# Altium PCB PCB_CARTE_SON.PcbDoc (part 1 of 5) (continued)
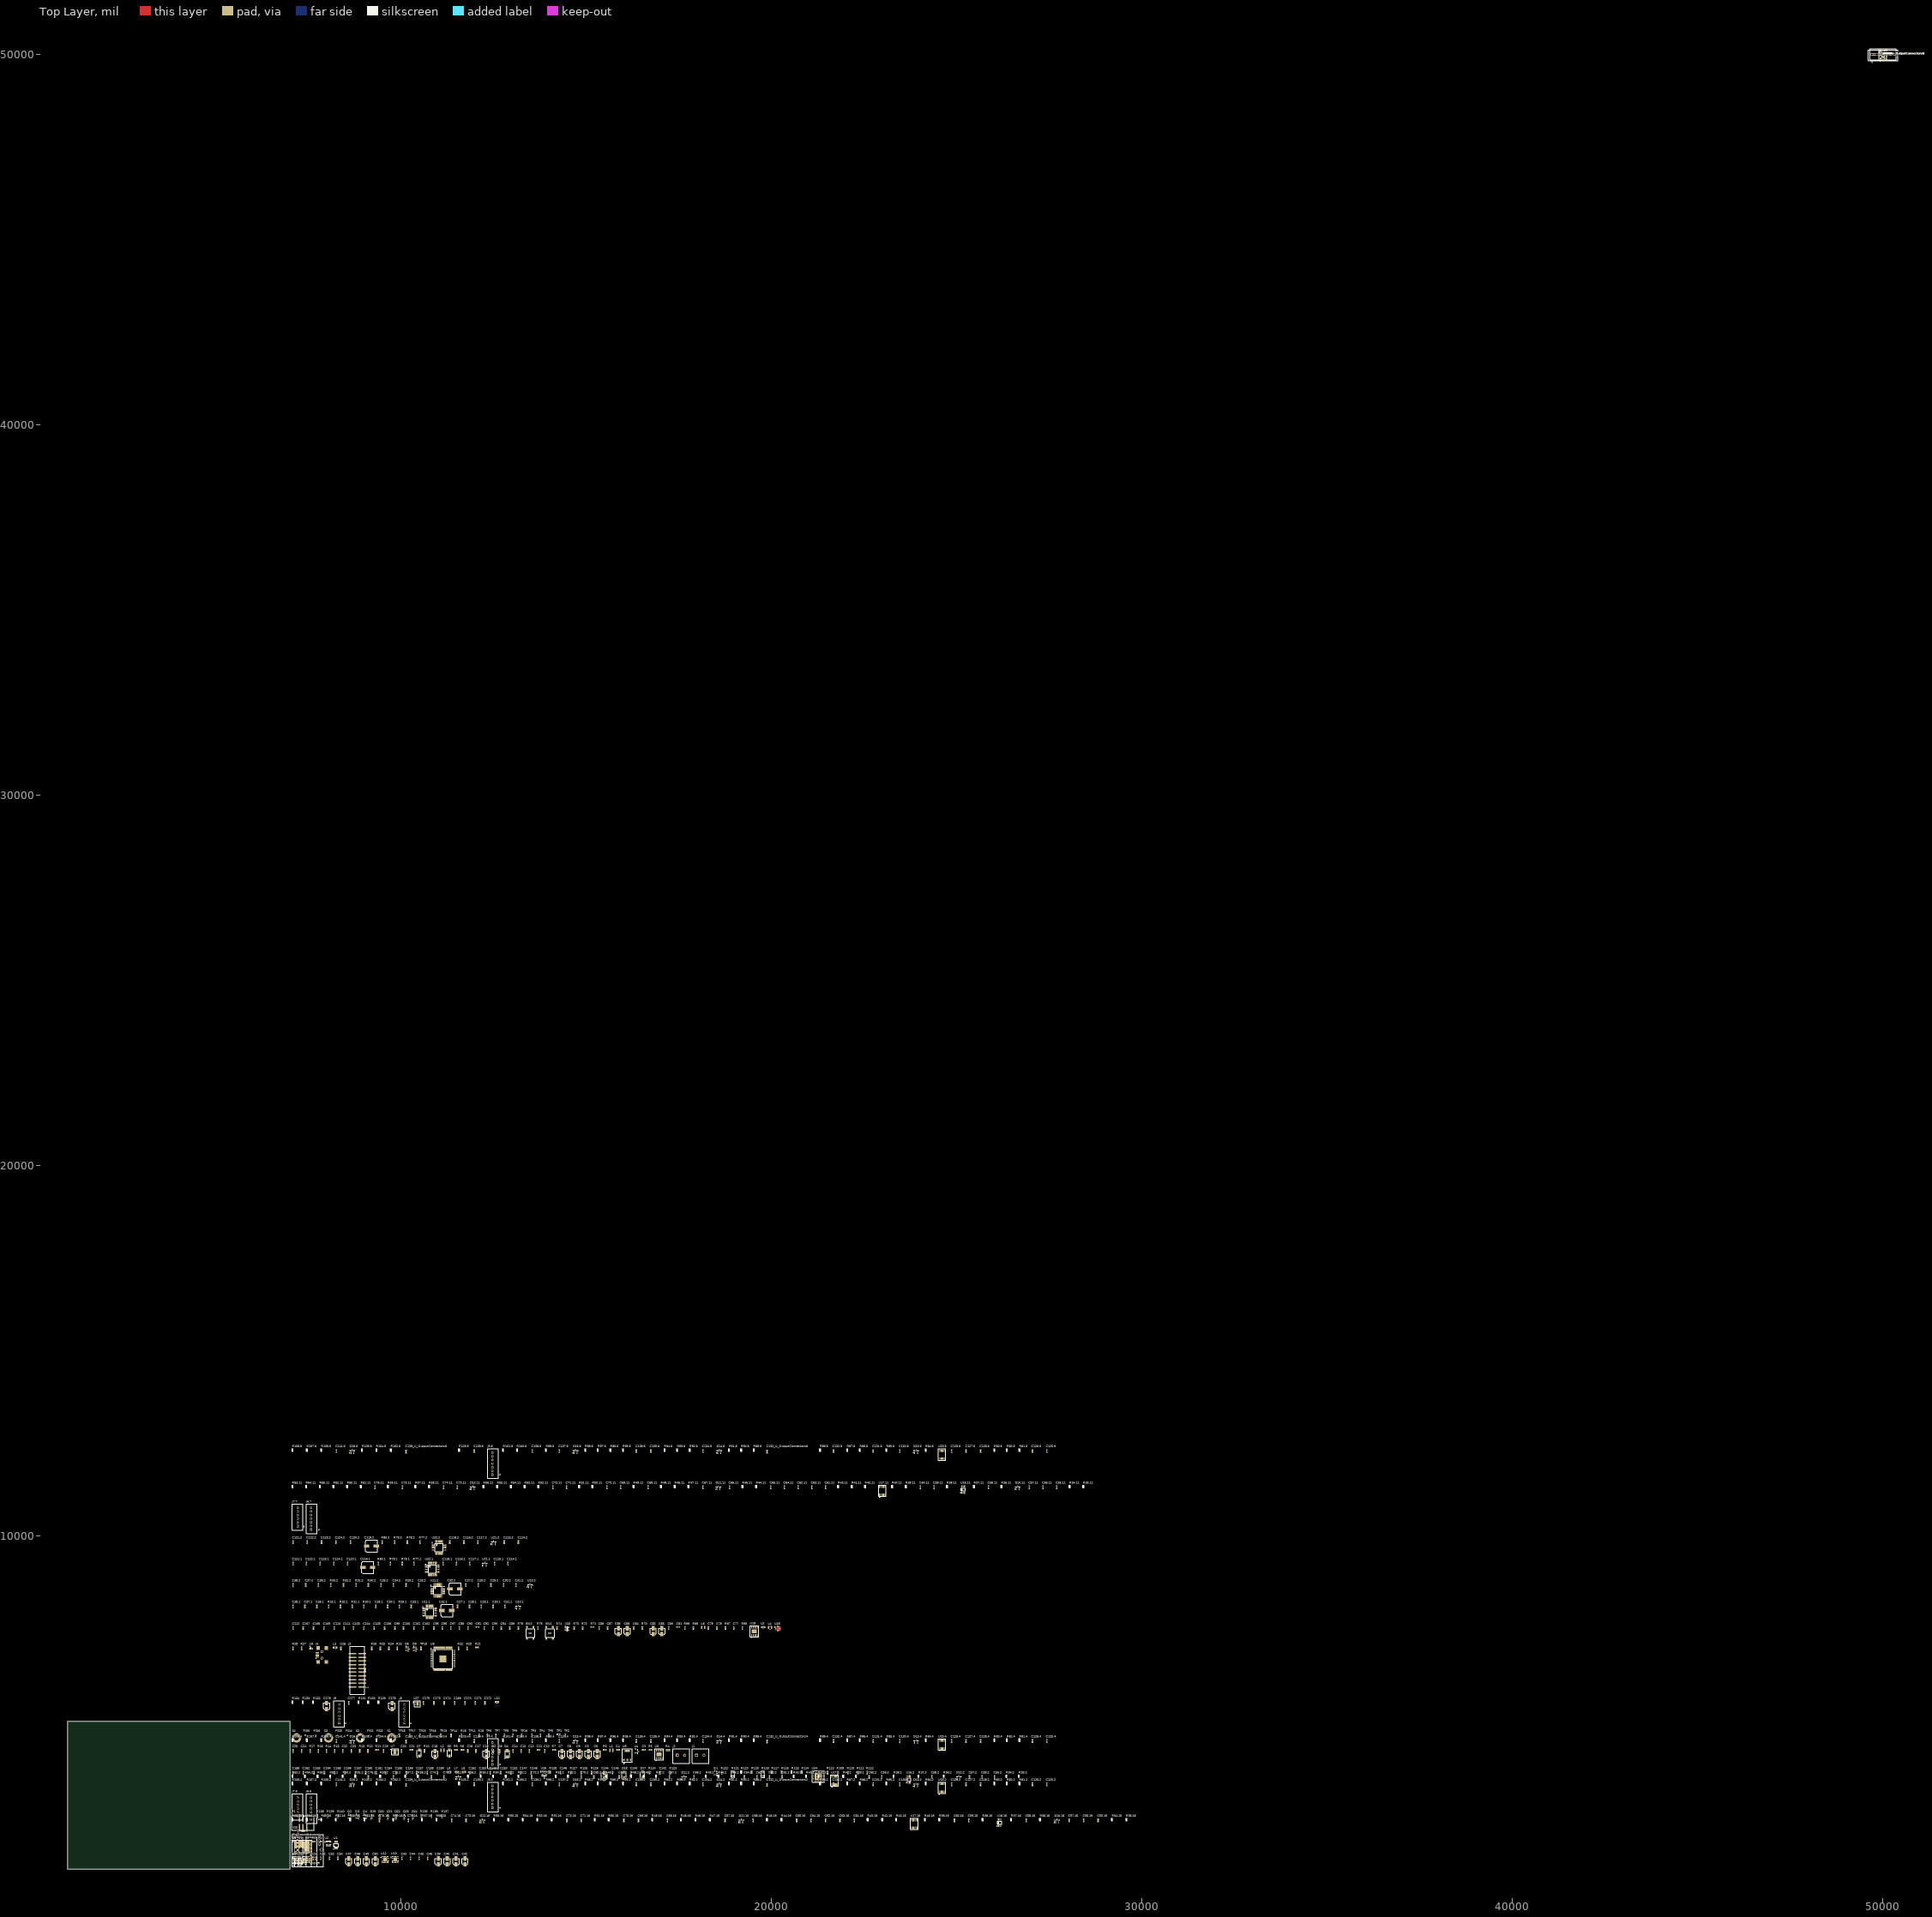
[diagram p0: Top Layer view]
## Classes and differential pairs (continued)
component class U_InputAmplifier9: C55.9 C56.9 C57.9 C58.9 C59.9 C60.9 C61.9 C62.9 C63.9 C64.9 C65.9 C66.9 C67.9 C68.9 C69.9 C70.9 C71.9 C72.9 C73.9 C74.9 C75.9 C76.9 D10.9 D11.9 D12.9 R34.9 R35.9 R36.9 R37.9 R38.9 R39.9 R40.9 R41.9 R42.9 R43.9 R44.9 R45.9 R46.9 R47.9 R48.9 R49.9 R50.9 R51.9 R52.9 R53.9 R54.9 R55.9 R56.9 R57.9 R58.9 R59.9 R60.9 R61.9 R62.9 R63.9 R64.9 R65.9 U16.9 U17.9
component class U_InputAmplifier8: C55.8 C56.8 C57.8 C58.8 C59.8 C60.8 C61.8 C62.8 C63.8 C64.8 C65.8 C66.8 C67.8 C68.8 C69.8 C70.8 C71.8 C72.8 C73.8 C74.8 C75.8 C76.8 D10.8 D11.8 D12.8 R34.8 R35.8 R36.8 R37.8 R38.8 R39.8 R40.8 R41.8 R42.8 R43.8 R44.8 R45.8 R46.8 R47.8 R48.8 R49.8 R50.8 R51.8 R52.8 R53.8 R54.8 R55.8 R56.8 R57.8 R58.8 R59.8 R60.8 R61.8 R62.8 R63.8 R64.8 R65.8 U16.8 U17.8
component class U_InputAmplifier7: C55.7 C56.7 C57.7 C58.7 C59.7 C60.7 C61.7 C62.7 C63.7 C64.7 C65.7 C66.7 C67.7 C68.7 C69.7 C70.7 C71.7 C72.7 C73.7 C74.7 C75.7 C76.7 D10.7 D11.7 D12.7 R34.7 R35.7 R36.7 R37.7 R38.7 R39.7 R40.7 R41.7 R42.7 R43.7 R44.7 R45.7 R46.7 R47.7 R48.7 R49.7 R50.7 R51.7 R52.7 R53.7 R54.7 R55.7 R56.7 R57.7 R58.7 R59.7 R60.7 R61.7 R62.7 R63.7 R64.7 R65.7 U16.7 U17.7
component class U_InputAmplifier6: C55.6 C56.6 C57.6 C58.6 C59.6 C60.6 C61.6 C62.6 C63.6 C64.6 C65.6 C66.6 C67.6 C68.6 C69.6 C70.6 C71.6 C72.6 C73.6 C74.6 C75.6 C76.6 D10.6 D11.6 D12.6 R34.6 R35.6 R36.6 R37.6 R38.6 R39.6 R40.6 R41.6 R42.6 R43.6 R44.6 R45.6 R46.6 R47.6 R48.6 R49.6 R50.6 R51.6 R52.6 R53.6 R54.6 R55.6 R56.6 R57.6 R58.6 R59.6 R60.6 R61.6 R62.6 R63.6 R64.6 R65.6 U16.6 U17.6
component class U_InputAmplifier5: C55.5 C56.5 C57.5 C58.5 C59.5 C60.5 C61.5 C62.5 C63.5 C64.5 C65.5 C66.5 C67.5 C68.5 C69.5 C70.5 C71.5 C72.5 C73.5 C74.5 C75.5 C76.5 D10.5 D11.5 D12.5 R34.5 R35.5 R36.5 R37.5 R38.5 R39.5 R40.5 R41.5 R42.5 R43.5 R44.5 R45.5 R46.5 R47.5 R48.5 R49.5 R50.5 R51.5 R52.5 R53.5 R54.5 R55.5 R56.5 R57.5 R58.5 R59.5 R60.5 R61.5 R62.5 R63.5 R64.5 R65.5 U16.5 U17.5
component class U_InputAmplifier4: C55.4 C56.4 C57.4 C58.4 C59.4 C60.4 C61.4 C62.4 C63.4 C64.4 C65.4 C66.4 C67.4 C68.4 C69.4 C70.4 C71.4 C72.4 C73.4 C74.4 C75.4 C76.4 D10.4 D11.4 D12.4 R34.4 R35.4 R36.4 R37.4 R38.4 R39.4 R40.4 R41.4 R42.4 R43.4 R44.4 R45.4 R46.4 R47.4 R48.4 R49.4 R50.4 R51.4 R52.4 R53.4 R54.4 R55.4 R56.4 R57.4 R58.4 R59.4 R60.4 R61.4 R62.4 R63.4 R64.4 R65.4 U16.4 U17.4
component class U_InputAmplifier3: C55.3 C56.3 C57.3 C58.3 C59.3 C60.3 C61.3 C62.3 C63.3 C64.3 C65.3 C66.3 C67.3 C68.3 C69.3 C70.3 C71.3 C72.3 C73.3 C74.3 C75.3 C76.3 D10.3 D11.3 D12.3 R34.3 R35.3 R36.3 R37.3 R38.3 R39.3 R40.3 R41.3 R42.3 R43.3 R44.3 R45.3 R46.3 R47.3 R48.3 R49.3 R50.3 R51.3 R52.3 R53.3 R54.3 R55.3 R56.3 R57.3 R58.3 R59.3 R60.3 R61.3 R62.3 R63.3 R64.3 R65.3 U16.3 U17.3
component class U_InputAmplifier2: C55.2 C56.2 C57.2 C58.2 C59.2 C60.2 C61.2 C62.2 C63.2 C64.2 C65.2 C66.2 C67.2 C68.2 C69.2 C70.2 C71.2 C72.2 C73.2 C74.2 C75.2 C76.2 D10.2 D11.2 D12.2 R34.2 R35.2 R36.2 R37.2 R38.2 R39.2 R40.2 R41.2 R42.2 R43.2 R44.2 R45.2 R46.2 R47.2 R48.2 R49.2 R50.2 R51.2 R52.2 R53.2 R54.2 R55.2 R56.2 R57.2 R58.2 R59.2 R60.2 R61.2 R62.2 R63.2 R64.2 R65.2 U16.2 U17.2
component class U_InputAmplifier1: C55.1 C56.1 C57.1 C58.1 C59.1 C60.1 C61.1 C62.1 C63.1 C64.1 C65.1 C66.1 C67.1 C68.1 C69.1 C70.1 C71.1 C72.1 C73.1 C74.1 C75.1 C76.1 D10.1 D11.1 D12.1 R34.1 R35.1 R36.1 R37.1 R38.1 R39.1 R40.1 R41.1 R42.1 R43.1 R44.1 R45.1 R46.1 R47.1 R48.1 R49.1 R50.1 R51.1 R52.1 R53.1 R54.1 R55.1 R56.1 R57.1 R58.1 R59.1 R60.1 R61.1 R62.1 R63.1 R64.1 R65.1 U16.1 U17.1
component class TopLevel: FID1 FID2 FID3 FID4 FID5 FID6 R18 R19 S1 S2 S3 S4 TP1 TP2 TP3 TP4 TP5 TP6 TP7 TP8 TP9 TP10 TP11 TP13 TP14 TP15 TP16 TP17 TP18
component class Power1: C3 C4 C5 C6 C7 C8 C9 C10 C11 C12 C13 C14 C15 C16 C17 C18 C19 C20 C21 C22 C23 C24 C25 D1 D2 D3 D4 D5 D6 D7 J1 J2 L1 L2 R4 R5 R6 R7 R8 R9 R10 R11 R12 R13 R14 R15 R16 R17 U3 U4 U5 U6 U7
component class PHY_ETHERNET: C142 C143 C144 C145 C146 C147 C148 C149 C150 C151 C152 C153 C154 C155 C156 C157 C158 C159 C160 C161 C162 C163 C164 C165 C166 C167 C168 D17 D18 L7 L8 L9 Q1 R109 R110 R111 R112 R113 R114 R115 R116 R117 R118 R119 R120 R121 R122 R123 R124 R125 R126 R127 R128 U24 U25 U26
component class LEDs_I2C_PORT: D19 D20 D21 D22 D23 D24 P1 Q2 Q3 Q4 R135 R136 R137 R138 R139 R140
component class DAC2: C114.2 C115.2 C116.2 C117.2 C118.2 C119.2 C120.2 C121.2 C122.2 C123.2 C124.2 R77.2 R78.2 R79.2 R80.2 U21.2 U22.2
component class DAC1: C114.1 C115.1 C116.1 C117.1 C118.1 C119.1 C120.1 C121.1 C122.1 C123.1 C124.1 R77.1 R78.1 R79.1 R80.1 U21.1 U22.1
component class CLOCK: C1 C2 R1 R2 R3 U1 U2
component class ADC2: C27.2 C28.2 C29.2 C30.2 C31.2 C32.2 C33.2 C34.2 C35.2 C36.2 C37.2 C38.2 R29.2 R30.2 R31.2 R32.2 R33.2 U10.2 U11.2
component class ADC1: C27.1 C28.1 C29.1 C30.1 C31.1 C32.1 C33.1 C34.1 C35.1 C36.1 C37.1 C38.1 R29.1 R30.1 R31.1 R32.1 R33.1 U10.1 U11.1
component class "AUDIO INPUTS": C39 C40 C41 C42 C43 C44 C45 C46 C47 C48 C49 C50 C51 C52 C53 C54 U12 U13 U14 U15
channel class OutputConnectors: U_OutputConnectors1 U_OutputConnectors2 U_OutputConnectors3 U_OutputConnectors4 U_OutputConnectors5 U_OutputConnectors6 U_OutputConnectors7 U_OutputConnectors8
channel class InputsConnectors: U_InputsConnectors1 U_InputsConnectors2 U_InputsConnectors3 U_InputsConnectors4 U_InputsConnectors5 U_InputsConnectors6 U_InputsConnectors7 U_InputsConnectors8
channel class InputAmplifier: U_InputAmplifier1 U_InputAmplifier2 U_InputAmplifier3 U_InputAmplifier4 U_InputAmplifier5 U_InputAmplifier6 U_InputAmplifier7 U_InputAmplifier8 U_InputAmplifier9 U_InputAmplifier10 U_InputAmplifier11 U_InputAmplifier12 U_InputAmplifier13 U_InputAmplifier14 U_InputAmplifier15 U_InputAmplifier16
channel class DAC: DAC1 DAC2
channel class ADC: ADC1 ADC2
differential pair IN1: +IN1_P -IN1_N
differential pair IN2: +IN2_P -IN2_N
differential pair IN3: +IN3_P -IN3_N
differential pair IN4: +IN4_P -IN4_N
differential pair IN5: +IN5_P -IN5_N
differential pair IN6: +IN6_P -IN6_N
differential pair IN7: +IN7_P -IN7_N
differential pair IN8: +IN8_P -IN8_N
differential pair IN9: +IN9_P -IN9_N
differential pair IN10: +IN10_P -IN10_N
differential pair IN11: +IN11_P -IN11_N
differential pair IN12: +IN12_P -IN12_N
differential pair IN13: +IN13_P -IN13_N
differential pair IN14: +IN14_P -IN14_N
differential pair IN15: +IN15_P -IN15_N
differential pair IN16: +IN16_P -IN16_N
differential pair TRD_1: +TRD_1_P -TRD_1_N
differential pair TRD_2: +TRD_2_P -TRD_2_N
differential pair TRD_3: +TRD_3_P -TRD_3_N
differential pair TRD_4: +TRD_4_P -TRD_4_N
differential pair USB_DA: +USB_DA_P -USB_DA_N
differential pair USB_D: +USB_D_P -USB_D_N

## Components (designator, comment, footprint, x,y, rotation, side; value= is the part's Value field where it differs from the comment)
C1 "Capacitor" 0603 7115,1750 r0 top
C2 "Capacitor" 0603 7290,1750 r0 top
C3 "Capacitor" 0603 16555,4230 r0 top
C4 "Capacitor" 0603 15855,4230 r0 top
C5 "Capacitor_Polarized" CAP_RAD_SMD_DIA157 15055,4115 r90 top
C6 "Capacitor_Polarized" CAP_RAD_SMD_DIA157 15295,4115 r90 top
C7 "Capacitor_Polarized" CAP_RAD_SMD_DIA157 14340,4115 r90 top
C8 "Capacitor_Polarized" CAP_RAD_SMD_DIA157 14575,4115 r90 top
C9 "Capacitor_Polarized" CAP_RAD_SMD_DIA157 14815,4115 r90 top
C10 "Capacitor" 0603 13880,4200 r90 top
C11 "Capacitor" 0603 13710,4230 r0 top
C12 "Capacitor" 0603 13460,4200 r90 top
C13 "Capacitor" 0603 13240,4200 r90 top
C14 "Capacitor" 0603 13020,4200 r90 top
C15 "Capacitor_Polarized" CAP_RAD_SMD_DIA157 12300,4115 r90 top
C16 "Capacitor" 0603 11800,4200 r90 top
C17 "Capacitor" 0603 12020,4200 r90 top
C18 "Capacitor_Polarized" CAP_RAD_SMD_DIA157 10915,4115 r90 top
C19 "Capacitor" 0603 9525,4200 r90 top
C20 "Capacitor" 0603 10010,4200 r90 top
C21 "Capacitor" 0603 10275,4230 r0 top
C22 "Capacitor" 0603 8425,4200 r90 top
C23 "Capacitor" 0603 8655,4200 r90 top
C24 "Capacitor" 0603 7315,4200 r90 top
C25 "Capacitor" 0603 7085,4200 r90 top
C26 "Capacitor" 0603 8375,6965 r90 top
C27.1 "Capacitor" 0603 11525,8095 r90 top (schematic designator C27)
C27.2 "Capacitor" 0603 11745,8675 r90 top (schematic designator C27)
C28.1 "Capacitor" 0603 11845,8095 r90 top (schematic designator C28)
C28.2 "Capacitor" 0603 12085,8675 r90 top (schematic designator C28)
C29.1 "Capacitor" 0603 12165,8095 r90 top (schematic designator C29)
C29.2 "Capacitor" 0603 12425,8675 r90 top (schematic designator C29)
C30.1 "Capacitor" 0603 12485,8095 r90 top (schematic designator C30)
C30.2 "Capacitor" 0603 12765,8675 r90 top (schematic designator C30)
C31.1 "Capacitor" 0603 12805,8095 r90 top (schematic designator C31)
C31.2 "Capacitor" 0603 13105,8675 r90 top (schematic designator C31)
C32.1 "Capacitor_Polarized_1" CAP_RAD_SMD_DIA315 11235,7990 r0 top (schematic designator C32)
C32.2 "Capacitor_Polarized_1" CAP_RAD_SMD_DIA315 11455,8570 r0 top (schematic designator C32)
C33.1 "Capacitor" 0603 10275,8095 r90 top (schematic designator C33)
C33.2 "Capacitor" 0603 10475,8675 r90 top (schematic designator C33)
C34.1 "Capacitor" 0603 9635,8095 r90 top (schematic designator C34)
C34.2 "Capacitor" 0603 9795,8675 r90 top (schematic designator C34)
C35.1 "Capacitor" 0603 9315,8095 r90 top (schematic designator C35)
C35.2 "Capacitor" 0603 9455,8675 r90 top (schematic designator C35)
C36.1 "Capacitor" 0603 7725,8095 r90 top (schematic designator C36)
C36.2 "Capacitor" 0603 7765,8675 r90 top (schematic designator C36)
C37.1 "Capacitor" 0603 7405,8095 r90 top (schematic designator C37)
C37.2 "Capacitor" 0603 7425,8675 r90 top (schematic designator C37)
C38.1 "Capacitor" 0603 7085,8095 r90 top (schematic designator C38)
C38.2 "Capacitor" 0603 7085,8675 r90 top (schematic designator C38)
C39 "Capacitor_Polarized" CAP_RAD_SMD_DIA157 11005,1215 r90 top
C40 "Capacitor_Polarized" CAP_RAD_SMD_DIA157 11245,1215 r90 top
C41 "Capacitor_Polarized" CAP_RAD_SMD_DIA157 11485,1215 r90 top
C42 "Capacitor_Polarized" CAP_RAD_SMD_DIA157 11725,1215 r90 top
C43 "Capacitor" 0603 10025,1300 r90 top
C44 "Capacitor" 0603 10255,1300 r90 top
C45 "Capacitor" 0603 10485,1300 r90 top
C46 "Capacitor" 0603 10715,1300 r90 top
C47 "Capacitor_Polarized" CAP_RAD_SMD_DIA157 8590,1215 r90 top
C48 "Capacitor_Polarized" CAP_RAD_SMD_DIA157 8830,1215 r90 top
C49 "Capacitor_Polarized" CAP_RAD_SMD_DIA157 9065,1215 r90 top
C50 "Capacitor_Polarized" CAP_RAD_SMD_DIA157 9305,1215 r90 top
C51 "Capacitor" 0603 7655,1330 r0 top
C52 "Capacitor" 0603 7835,1300 r90 top
C53 "Capacitor" 0603 8065,1300 r90 top
C54 "Capacitor" 0603 8295,1300 r90 top
C55.1 "Capacitor" 0603 49999.5,49999.5 r0 top (schematic designator C55)
C55.2 "Capacitor" 0603 26015,3495 r90 top (schematic designator C55)
C55.3 "Capacitor" 0603 49999.5,49999.5 r0 top (schematic designator C55)
C55.4 "Capacitor" 0603 49999.5,49999.5 r0 top (schematic designator C55)
C55.5 "Capacitor" 0603 49999.5,49999.5 r0 top (schematic designator C55)
C55.6 "Capacitor" 0603 49999.5,49999.5 r0 top (schematic designator C55)
C55.7 "Capacitor" 0603 49999.5,49999.5 r0 top (schematic designator C55)
C55.8 "Capacitor" 0603 49999.5,49999.5 r0 top (schematic designator C55)
C55.9 "Capacitor" 0603 49999.5,49999.5 r0 top (schematic designator C55)
C55.10 "Capacitor" 0603 49999.5,49999.5 r0 top (schematic designator C55)
C55.11 "Capacitor" 0603 27695,11320 r90 top (schematic designator C55)
C55.12 "Capacitor" 0603 49999.5,49999.5 r0 top (schematic designator C55)
C55.13 "Capacitor" 0603 49999.5,49999.5 r0 top (schematic designator C55)
C55.14 "Capacitor" 0603 49999.5,49999.5 r0 top (schematic designator C55)
C55.15 "Capacitor" 0603 49999.5,49999.5 r0 top (schematic designator C55)
C55.16 "Capacitor" 0603 28815,2325 r90 top (schematic designator C55)
C56.1 "Capacitor" 0603 49999.5,49999.5 r0 top (schematic designator C56)
C56.2 "Capacitor" 0603 25680,3495 r90 top (schematic designator C56)
C56.3 "Capacitor" 0603 49999.5,49999.5 r0 top (schematic designator C56)
C56.4 "Capacitor" 0603 49999.5,49999.5 r0 top (schematic designator C56)
C56.5 "Capacitor" 0603 49999.5,49999.5 r0 top (schematic designator C56)
C56.6 "Capacitor" 0603 49999.5,49999.5 r0 top (schematic designator C56)
C56.7 "Capacitor" 0603 49999.5,49999.5 r0 top (schematic designator C56)
C56.8 "Capacitor" 0603 49999.5,49999.5 r0 top (schematic designator C56)
C56.9 "Capacitor" 0603 49999.5,49999.5 r0 top (schematic designator C56)
C56.10 "Capacitor" 0603 49999.5,49999.5 r0 top (schematic designator C56)
C56.11 "Capacitor" 0603 27325,11320 r90 top (schematic designator C56)
C56.12 "Capacitor" 0603 49999.5,49999.5 r0 top (schematic designator C56)
C56.13 "Capacitor" 0603 49999.5,49999.5 r0 top (schematic designator C56)
C56.14 "Capacitor" 0603 49999.5,49999.5 r0 top (schematic designator C56)
C56.15 "Capacitor" 0603 49999.5,49999.5 r0 top (schematic designator C56)
C56.16 "Capacitor" 0603 28425,2325 r90 top (schematic designator C56)
C57.1 "Capacitor" 0603 49999.5,49999.5 r0 top (schematic designator C57)
C57.2 "Capacitor" 0603 25340,3495 r90 top (schematic designator C57)
C57.3 "Capacitor" 0603 49999.5,49999.5 r0 top (schematic designator C57)
C57.4 "Capacitor" 0603 49999.5,49999.5 r0 top (schematic designator C57)
C57.5 "Capacitor" 0603 49999.5,49999.5 r0 top (schematic designator C57)
C57.6 "Capacitor" 0603 49999.5,49999.5 r0 top (schematic designator C57)
C57.7 "Capacitor" 0603 49999.5,49999.5 r0 top (schematic designator C57)
C57.8 "Capacitor" 0603 49999.5,49999.5 r0 top (schematic designator C57)
C57.9 "Capacitor" 0603 49999.5,49999.5 r0 top (schematic designator C57)
C57.10 "Capacitor" 0603 49999.5,49999.5 r0 top (schematic designator C57)
C57.11 "Capacitor" 0603 26955,11320 r90 top (schematic designator C57)
C57.12 "Capacitor" 0603 49999.5,49999.5 r0 top (schematic designator C57)
C57.13 "Capacitor" 0603 49999.5,49999.5 r0 top (schematic designator C57)
C57.14 "Capacitor" 0603 49999.5,49999.5 r0 top (schematic designator C57)
C57.15 "Capacitor" 0603 49999.5,49999.5 r0 top (schematic designator C57)
C57.16 "Capacitor" 0603 28035,2325 r90 top (schematic designator C57)
C58.1 "Capacitor" 0603 49999.5,49999.5 r0 top (schematic designator C58)
C58.2 "Capacitor" 0603 24325,3495 r90 top (schematic designator C58)
C58.3 "Capacitor" 0603 49999.5,49999.5 r0 top (schematic designator C58)
C58.4 "Capacitor" 0603 49999.5,49999.5 r0 top (schematic designator C58)
C58.5 "Capacitor" 0603 49999.5,49999.5 r0 top (schematic designator C58)
C58.6 "Capacitor" 0603 49999.5,49999.5 r0 top (schematic designator C58)
C58.7 "Capacitor" 0603 49999.5,49999.5 r0 top (schematic designator C58)
C58.8 "Capacitor" 0603 49999.5,49999.5 r0 top (schematic designator C58)
C58.9 "Capacitor" 0603 49999.5,49999.5 r0 top (schematic designator C58)
C58.10 "Capacitor" 0603 49999.5,49999.5 r0 top (schematic designator C58)
C58.11 "Capacitor" 0603 25855,11320 r90 top (schematic designator C58)
C58.12 "Capacitor" 0603 49999.5,49999.5 r0 top (schematic designator C58)
C58.13 "Capacitor" 0603 49999.5,49999.5 r0 top (schematic designator C58)
C58.14 "Capacitor" 0603 49999.5,49999.5 r0 top (schematic designator C58)
C58.15 "Capacitor" 0603 49999.5,49999.5 r0 top (schematic designator C58)
C58.16 "Capacitor" 0603 26875,2325 r90 top (schematic designator C58)
C59.1 "Capacitor" 0603 49999.5,49999.5 r0 top (schematic designator C59)
C59.2 "Capacitor" 0603 22975,3495 r90 top (schematic designator C59)
C59.3 "Capacitor" 0603 49999.5,49999.5 r0 top (schematic designator C59)
C59.4 "Capacitor" 0603 49999.5,49999.5 r0 top (schematic designator C59)
C59.5 "Capacitor" 0603 49999.5,49999.5 r0 top (schematic designator C59)
C59.6 "Capacitor" 0603 49999.5,49999.5 r0 top (schematic designator C59)
C59.7 "Capacitor" 0603 49999.5,49999.5 r0 top (schematic designator C59)
C59.8 "Capacitor" 0603 49999.5,49999.5 r0 top (schematic designator C59)
C59.9 "Capacitor" 0603 49999.5,49999.5 r0 top (schematic designator C59)
C59.10 "Capacitor" 0603 49999.5,49999.5 r0 top (schematic designator C59)
C59.11 "Capacitor" 0603 24385,11320 r90 top (schematic designator C59)
C59.12 "Capacitor" 0603 49999.5,49999.5 r0 top (schematic designator C59)
C59.13 "Capacitor" 0603 49999.5,49999.5 r0 top (schematic designator C59)
C59.14 "Capacitor" 0603 49999.5,49999.5 r0 top (schematic designator C59)
C59.15 "Capacitor" 0603 49999.5,49999.5 r0 top (schematic designator C59)
C59.16 "Capacitor" 0603 25325,2325 r90 top (schematic designator C59)
C60.1 "Capacitor" 0603 49999.5,49999.5 r0 top (schematic designator C60)
C60.2 "Capacitor" 0603 22635,3495 r90 top (schematic designator C60)
C60.3 "Capacitor" 0603 49999.5,49999.5 r0 top (schematic designator C60)
C60.4 "Capacitor" 0603 49999.5,49999.5 r0 top (schematic designator C60)
C60.5 "Capacitor" 0603 49999.5,49999.5 r0 top (schematic designator C60)
C60.6 "Capacitor" 0603 49999.5,49999.5 r0 top (schematic designator C60)
C60.7 "Capacitor" 0603 49999.5,49999.5 r0 top (schematic designator C60)
C60.8 "Capacitor" 0603 49999.5,49999.5 r0 top (schematic designator C60)
C60.9 "Capacitor" 0603 49999.5,49999.5 r0 top (schematic designator C60)
C60.10 "Capacitor" 0603 49999.5,49999.5 r0 top (schematic designator C60)
C60.11 "Capacitor" 0603 24015,11320 r90 top (schematic designator C60)
C60.12 "Capacitor" 0603 49999.5,49999.5 r0 top (schematic designator C60)
C60.13 "Capacitor" 0603 49999.5,49999.5 r0 top (schematic designator C60)
C60.14 "Capacitor" 0603 49999.5,49999.5 r0 top (schematic designator C60)
C60.15 "Capacitor" 0603 49999.5,49999.5 r0 top (schematic designator C60)
C60.16 "Capacitor" 0603 24935,2325 r90 top (schematic designator C60)
C61.1 "Capacitor" 0603 49999.5,49999.5 r0 top (schematic designator C61)
C61.2 "Capacitor" 0603 20285,3495 r90 top (schematic designator C61)
C61.3 "Capacitor" 0603 49999.5,49999.5 r0 top (schematic designator C61)
C61.4 "Capacitor" 0603 49999.5,49999.5 r0 top (schematic designator C61)
C61.5 "Capacitor" 0603 49999.5,49999.5 r0 top (schematic designator C61)
C61.6 "Capacitor" 0603 49999.5,49999.5 r0 top (schematic designator C61)
C61.7 "Capacitor" 0603 49999.5,49999.5 r0 top (schematic designator C61)
C61.8 "Capacitor" 0603 49999.5,49999.5 r0 top (schematic designator C61)
C61.9 "Capacitor" 0603 49999.5,49999.5 r0 top (schematic designator C61)
C61.10 "Capacitor" 0603 49999.5,49999.5 r0 top (schematic designator C61)
C61.11 "Capacitor" 0603 21455,11320 r90 top (schematic designator C61)
C61.12 "Capacitor" 0603 49999.5,49999.5 r0 top (schematic designator C61)
C61.13 "Capacitor" 0603 49999.5,49999.5 r0 top (schematic designator C61)
C61.14 "Capacitor" 0603 49999.5,49999.5 r0 top (schematic designator C61)
C61.15 "Capacitor" 0603 49999.5,49999.5 r0 top (schematic designator C61)
C61.16 "Capacitor" 0603 22235,2325 r90 top (schematic designator C61)
C62.1 "Capacitor" 0603 49999.5,49999.5 r0 top (schematic designator C62)
C62.2 "Capacitor" 0603 19605,3495 r90 top (schematic designator C62)
C62.3 "Capacitor" 0603 49999.5,49999.5 r0 top (schematic designator C62)
C62.4 "Capacitor" 0603 49999.5,49999.5 r0 top (schematic designator C62)
C62.5 "Capacitor" 0603 49999.5,49999.5 r0 top (schematic designator C62)
C62.6 "Capacitor" 0603 49999.5,49999.5 r0 top (schematic designator C62)
C62.7 "Capacitor" 0603 49999.5,49999.5 r0 top (schematic designator C62)
C62.8 "Capacitor" 0603 49999.5,49999.5 r0 top (schematic designator C62)
C62.9 "Capacitor" 0603 49999.5,49999.5 r0 top (schematic designator C62)
C62.10 "Capacitor" 0603 49999.5,49999.5 r0 top (schematic designator C62)
C62.11 "Capacitor" 0603 20715,11320 r90 top (schematic designator C62)
C62.12 "Capacitor" 0603 49999.5,49999.5 r0 top (schematic designator C62)
C62.13 "Capacitor" 0603 49999.5,49999.5 r0 top (schematic designator C62)
C62.14 "Capacitor" 0603 49999.5,49999.5 r0 top (schematic designator C62)
C62.15 "Capacitor" 0603 49999.5,49999.5 r0 top (schematic designator C62)
C62.16 "Capacitor" 0603 21455,2325 r90 top (schematic designator C62)
C63.1 "Capacitor" 0603 49999.5,49999.5 r0 top (schematic designator C63)
C63.2 "Capacitor" 0603 19945,3495 r90 top (schematic designator C63)
C63.3 "Capacitor" 0603 49999.5,49999.5 r0 top (schematic designator C63)
C63.4 "Capacitor" 0603 49999.5,49999.5 r0 top (schematic designator C63)
C63.5 "Capacitor" 0603 49999.5,49999.5 r0 top (schematic designator C63)
C63.6 "Capacitor" 0603 49999.5,49999.5 r0 top (schematic designator C63)
C63.7 "Capacitor" 0603 49999.5,49999.5 r0 top (schematic designator C63)
C63.8 "Capacitor" 0603 49999.5,49999.5 r0 top (schematic designator C63)
C63.9 "Capacitor" 0603 49999.5,49999.5 r0 top (schematic designator C63)
C63.10 "Capacitor" 0603 49999.5,49999.5 r0 top (schematic designator C63)
C63.11 "Capacitor" 0603 21085,11320 r90 top (schematic designator C63)
C63.12 "Capacitor" 0603 49999.5,49999.5 r0 top (schematic designator C63)
C63.13 "Capacitor" 0603 49999.5,49999.5 r0 top (schematic designator C63)
C63.14 "Capacitor" 0603 49999.5,49999.5 r0 top (schematic designator C63)
C63.15 "Capacitor" 0603 49999.5,49999.5 r0 top (schematic designator C63)
C63.16 "Capacitor" 0603 21845,2325 r90 top (schematic designator C63)
C64.1 "Capacitor" 0603 49999.5,49999.5 r0 top (schematic designator C64)
C64.2 "Capacitor" 0603 19265,3495 r90 top (schematic designator C64)
C64.3 "Capacitor" 0603 49999.5,49999.5 r0 top (schematic designator C64)
C64.4 "Capacitor" 0603 49999.5,49999.5 r0 top (schematic designator C64)
C64.5 "Capacitor" 0603 49999.5,49999.5 r0 top (schematic designator C64)
C64.6 "Capacitor" 0603 49999.5,49999.5 r0 top (schematic designator C64)
C64.7 "Capacitor" 0603 49999.5,49999.5 r0 top (schematic designator C64)
C64.8 "Capacitor" 0603 49999.5,49999.5 r0 top (schematic designator C64)
C64.9 "Capacitor" 0603 49999.5,49999.5 r0 top (schematic designator C64)
C64.10 "Capacitor" 0603 49999.5,49999.5 r0 top (schematic designator C64)
C64.11 "Capacitor" 0603 20345,11320 r90 top (schematic designator C64)
C64.12 "Capacitor" 0603 49999.5,49999.5 r0 top (schematic designator C64)
C64.13 "Capacitor" 0603 49999.5,49999.5 r0 top (schematic designator C64)
C64.14 "Capacitor" 0603 49999.5,49999.5 r0 top (schematic designator C64)
C64.15 "Capacitor" 0603 49999.5,49999.5 r0 top (schematic designator C64)
C64.16 "Capacitor" 0603 21065,2325 r90 top (schematic designator C64)
C65.1 "Capacitor" 0603 49999.5,49999.5 r0 top (schematic designator C65)
C65.2 "Capacitor" 0603 18925,3495 r90 top (schematic designator C65)
C65.3 "Capacitor" 0603 49999.5,49999.5 r0 top (schematic designator C65)
C65.4 "Capacitor" 0603 49999.5,49999.5 r0 top (schematic designator C65)
C65.5 "Capacitor" 0603 49999.5,49999.5 r0 top (schematic designator C65)
C65.6 "Capacitor" 0603 49999.5,49999.5 r0 top (schematic designator C65)
C65.7 "Capacitor" 0603 49999.5,49999.5 r0 top (schematic designator C65)
C65.8 "Capacitor" 0603 49999.5,49999.5 r0 top (schematic designator C65)
C65.9 "Capacitor" 0603 49999.5,49999.5 r0 top (schematic designator C65)
C65.10 "Capacitor" 0603 49999.5,49999.5 r0 top (schematic designator C65)
C65.11 "Capacitor" 0603 19975,11320 r90 top (schematic designator C65)
C65.12 "Capacitor" 0603 49999.5,49999.5 r0 top (schematic designator C65)
C65.13 "Capacitor" 0603 49999.5,49999.5 r0 top (schematic designator C65)
C65.14 "Capacitor" 0603 49999.5,49999.5 r0 top (schematic designator C65)
C65.15 "Capacitor" 0603 49999.5,49999.5 r0 top (schematic designator C65)
C65.16 "Capacitor" 0603 20675,2325 r90 top (schematic designator C65)
C66.1 "Capacitor" 0603 49999.5,49999.5 r0 top (schematic designator C66)
C66.2 "Capacitor" 0603 17905,3495 r90 top (schematic designator C66)
C66.3 "Capacitor" 0603 49999.5,49999.5 r0 top (schematic designator C66)
C66.4 "Capacitor" 0603 49999.5,49999.5 r0 top (schematic designator C66)
C66.5 "Capacitor" 0603 49999.5,49999.5 r0 top (schematic designator C66)
C66.6 "Capacitor" 0603 49999.5,49999.5 r0 top (schematic designator C66)
C66.7 "Capacitor" 0603 49999.5,49999.5 r0 top (schematic designator C66)
C66.8 "Capacitor" 0603 49999.5,49999.5 r0 top (schematic designator C66)
C66.9 "Capacitor" 0603 49999.5,49999.5 r0 top (schematic designator C66)
C66.10 "Capacitor" 0603 49999.5,49999.5 r0 top (schematic designator C66)
C66.11 "Capacitor" 0603 18865,11320 r90 top (schematic designator C66)
C66.12 "Capacitor" 0603 49999.5,49999.5 r0 top (schematic designator C66)
C66.13 "Capacitor" 0603 49999.5,49999.5 r0 top (schematic designator C66)
C66.14 "Capacitor" 0603 49999.5,49999.5 r0 top (schematic designator C66)
C66.15 "Capacitor" 0603 49999.5,49999.5 r0 top (schematic designator C66)
C66.16 "Capacitor" 0603 19505,2325 r90 top (schematic designator C66)
C67.1 "Capacitor" 0603 49999.5,49999.5 r0 top (schematic designator C67)
C67.2 "Capacitor" 0603 17245,3495 r90 top (schematic designator C67)
C67.3 "Capacitor" 0603 49999.5,49999.5 r0 top (schematic designator C67)
C67.4 "Capacitor" 0603 49999.5,49999.5 r0 top (schematic designator C67)
C67.5 "Capacitor" 0603 49999.5,49999.5 r0 top (schematic designator C67)
C67.6 "Capacitor" 0603 49999.5,49999.5 r0 top (schematic designator C67)
C67.7 "Capacitor" 0603 49999.5,49999.5 r0 top (schematic designator C67)
C67.8 "Capacitor" 0603 49999.5,49999.5 r0 top (schematic designator C67)
C67.9 "Capacitor" 0603 49999.5,49999.5 r0 top (schematic designator C67)
C67.10 "Capacitor" 0603 49999.5,49999.5 r0 top (schematic designator C67)
C67.11 "Capacitor" 0603 18145,11320 r90 top (schematic designator C67)
C67.12 "Capacitor" 0603 49999.5,49999.5 r0 top (schematic designator C67)
C67.13 "Capacitor" 0603 49999.5,49999.5 r0 top (schematic designator C67)
C67.14 "Capacitor" 0603 49999.5,49999.5 r0 top (schematic designator C67)
C67.15 "Capacitor" 0603 49999.5,49999.5 r0 top (schematic designator C67)
C67.16 "Capacitor" 0603 18745,2325 r90 top (schematic designator C67)
C68.1 "Capacitor" 0603 49999.5,49999.5 r0 top (schematic designator C68)
C68.2 "Capacitor" 0603 15885,3495 r90 top (schematic designator C68)
C68.3 "Capacitor" 0603 49999.5,49999.5 r0 top (schematic designator C68)
C68.4 "Capacitor" 0603 49999.5,49999.5 r0 top (schematic designator C68)
C68.5 "Capacitor" 0603 49999.5,49999.5 r0 top (schematic designator C68)
C68.6 "Capacitor" 0603 49999.5,49999.5 r0 top (schematic designator C68)
C68.7 "Capacitor" 0603 49999.5,49999.5 r0 top (schematic designator C68)
C68.8 "Capacitor" 0603 49999.5,49999.5 r0 top (schematic designator C68)
C68.9 "Capacitor" 0603 49999.5,49999.5 r0 top (schematic designator C68)
C68.10 "Capacitor" 0603 49999.5,49999.5 r0 top (schematic designator C68)
C68.11 "Capacitor" 0603 16665,11320 r90 top (schematic designator C68)
C68.12 "Capacitor" 0603 49999.5,49999.5 r0 top (schematic designator C68)
C68.13 "Capacitor" 0603 49999.5,49999.5 r0 top (schematic designator C68)
C68.14 "Capacitor" 0603 49999.5,49999.5 r0 top (schematic designator C68)
C68.15 "Capacitor" 0603 49999.5,49999.5 r0 top (schematic designator C68)
C68.16 "Capacitor" 0603 17185,2325 r90 top (schematic designator C68)
C69.1 "Capacitor" 0603 49999.5,49999.5 r0 top (schematic designator C69)
C69.2 "Capacitor" 0603 15205,3495 r90 top (schematic designator C69)
C69.3 "Capacitor" 0603 49999.5,49999.5 r0 top (schematic designator C69)
C69.4 "Capacitor" 0603 49999.5,49999.5 r0 top (schematic designator C69)
C69.5 "Capacitor" 0603 49999.5,49999.5 r0 top (schematic designator C69)
C69.6 "Capacitor" 0603 49999.5,49999.5 r0 top (schematic designator C69)
C69.7 "Capacitor" 0603 49999.5,49999.5 r0 top (schematic designator C69)
C69.8 "Capacitor" 0603 49999.5,49999.5 r0 top (schematic designator C69)
C69.9 "Capacitor" 0603 49999.5,49999.5 r0 top (schematic designator C69)
C69.10 "Capacitor" 0603 49999.5,49999.5 r0 top (schematic designator C69)
C69.11 "Capacitor" 0603 15925,11320 r90 top (schematic designator C69)
C69.12 "Capacitor" 0603 49999.5,49999.5 r0 top (schematic designator C69)
C69.13 "Capacitor" 0603 49999.5,49999.5 r0 top (schematic designator C69)
C69.14 "Capacitor" 0603 49999.5,49999.5 r0 top (schematic designator C69)
C69.15 "Capacitor" 0603 49999.5,49999.5 r0 top (schematic designator C69)
C69.16 "Capacitor" 0603 16405,2325 r90 top (schematic designator C69)
C70.1 "Capacitor" 0603 49999.5,49999.5 r0 top (schematic designator C70)
C70.2 "Capacitor" 0603 14865,3495 r90 top (schematic designator C70)
C70.3 "Capacitor" 0603 49999.5,49999.5 r0 top (schematic designator C70)
C70.4 "Capacitor" 0603 49999.5,49999.5 r0 top (schematic designator C70)
C70.5 "Capacitor" 0603 49999.5,49999.5 r0 top (schematic designator C70)
C70.6 "Capacitor" 0603 49999.5,49999.5 r0 top (schematic designator C70)
C70.7 "Capacitor" 0603 49999.5,49999.5 r0 top (schematic designator C70)
C70.8 "Capacitor" 0603 49999.5,49999.5 r0 top (schematic designator C70)
C70.9 "Capacitor" 0603 49999.5,49999.5 r0 top (schematic designator C70)
C70.10 "Capacitor" 0603 49999.5,49999.5 r0 top (schematic designator C70)
C70.11 "Capacitor" 0603 15555,11320 r90 top (schematic designator C70)
C70.12 "Capacitor" 0603 49999.5,49999.5 r0 top (schematic designator C70)
C70.13 "Capacitor" 0603 49999.5,49999.5 r0 top (schematic designator C70)
C70.14 "Capacitor" 0603 49999.5,49999.5 r0 top (schematic designator C70)
C70.15 "Capacitor" 0603 49999.5,49999.5 r0 top (schematic designator C70)
C70.16 "Capacitor" 0603 16015,2325 r90 top (schematic designator C70)
C71.1 "Capacitor" 0603 49999.5,49999.5 r0 top (schematic designator C71)
C71.2 "Capacitor" 0603 13865,3495 r90 top (schematic designator C71)
C71.3 "Capacitor" 0603 49999.5,49999.5 r0 top (schematic designator C71)
C71.4 "Capacitor" 0603 49999.5,49999.5 r0 top (schematic designator C71)
C71.5 "Capacitor" 0603 49999.5,49999.5 r0 top (schematic designator C71)
C71.6 "Capacitor" 0603 49999.5,49999.5 r0 top (schematic designator C71)
C71.7 "Capacitor" 0603 49999.5,49999.5 r0 top (schematic designator C71)
C71.8 "Capacitor" 0603 49999.5,49999.5 r0 top (schematic designator C71)
C71.9 "Capacitor" 0603 49999.5,49999.5 r0 top (schematic designator C71)
C71.10 "Capacitor" 0603 49999.5,49999.5 r0 top (schematic designator C71)
C71.11 "Capacitor" 0603 14465,11320 r90 top (schematic designator C71)
C71.12 "Capacitor" 0603 49999.5,49999.5 r0 top (schematic designator C71)
C71.13 "Capacitor" 0603 49999.5,49999.5 r0 top (schematic designator C71)
C71.14 "Capacitor" 0603 49999.5,49999.5 r0 top (schematic designator C71)
C71.15 "Capacitor" 0603 49999.5,49999.5 r0 top (schematic designator C71)
C71.16 "Capacitor" 0603 14865,2325 r90 top (schematic designator C71)
C72.1 "Capacitor" 0603 49999.5,49999.5 r0 top (schematic designator C72)
C72.2 "Capacitor" 0603 13525,3495 r90 top (schematic designator C72)
C72.3 "Capacitor" 0603 49999.5,49999.5 r0 top (schematic designator C72)
C72.4 "Capacitor" 0603 49999.5,49999.5 r0 top (schematic designator C72)
C72.5 "Capacitor" 0603 49999.5,49999.5 r0 top (schematic designator C72)
C72.6 "Capacitor" 0603 49999.5,49999.5 r0 top (schematic designator C72)
C72.7 "Capacitor" 0603 49999.5,49999.5 r0 top (schematic designator C72)
C72.8 "Capacitor" 0603 49999.5,49999.5 r0 top (schematic designator C72)
C72.9 "Capacitor" 0603 49999.5,49999.5 r0 top (schematic designator C72)
C72.10 "Capacitor" 0603 49999.5,49999.5 r0 top (schematic designator C72)
C72.11 "Capacitor" 0603 14095,11320 r90 top (schematic designator C72)
C72.12 "Capacitor" 0603 49999.5,49999.5 r0 top (schematic designator C72)
C72.13 "Capacitor" 0603 49999.5,49999.5 r0 top (schematic designator C72)
C72.14 "Capacitor" 0603 49999.5,49999.5 r0 top (schematic designator C72)
C72.15 "Capacitor" 0603 49999.5,49999.5 r0 top (schematic designator C72)
C72.16 "Capacitor" 0603 14475,2325 r90 top (schematic designator C72)
C73.1 "Capacitor" 0603 49999.5,49999.5 r0 top (schematic designator C73)
C73.2 "Capacitor" 0603 11155,3495 r90 top (schematic designator C73)
C73.3 "Capacitor" 0603 49999.5,49999.5 r0 top (schematic designator C73)
C73.4 "Capacitor" 0603 49999.5,49999.5 r0 top (schematic designator C73)
C73.5 "Capacitor" 0603 49999.5,49999.5 r0 top (schematic designator C73)
C73.6 "Capacitor" 0603 49999.5,49999.5 r0 top (schematic designator C73)
C73.7 "Capacitor" 0603 49999.5,49999.5 r0 top (schematic designator C73)
C73.8 "Capacitor" 0603 49999.5,49999.5 r0 top (schematic designator C73)
C73.9 "Capacitor" 0603 49999.5,49999.5 r0 top (schematic designator C73)
C73.10 "Capacitor" 0603 49999.5,49999.5 r0 top (schematic designator C73)
C73.11 "Capacitor" 0603 11515,11320 r90 top (schematic designator C73)
C73.12 "Capacitor" 0603 49999.5,49999.5 r0 top (schematic designator C73)
C73.13 "Capacitor" 0603 49999.5,49999.5 r0 top (schematic designator C73)
C73.14 "Capacitor" 0603 49999.5,49999.5 r0 top (schematic designator C73)